# Altium PCB 28Pins_PCB_V1I1.PcbDoc
Units mm, origin at the board's own origin, x right, y up, seen from the top; angles counter-clockwise.
Board outline 68.58 x 53.34 mm, 2 copper layers (L1, L2), stack 1.671 mm thick; 105 components, 72 nets, 321 pads, 91 vias.
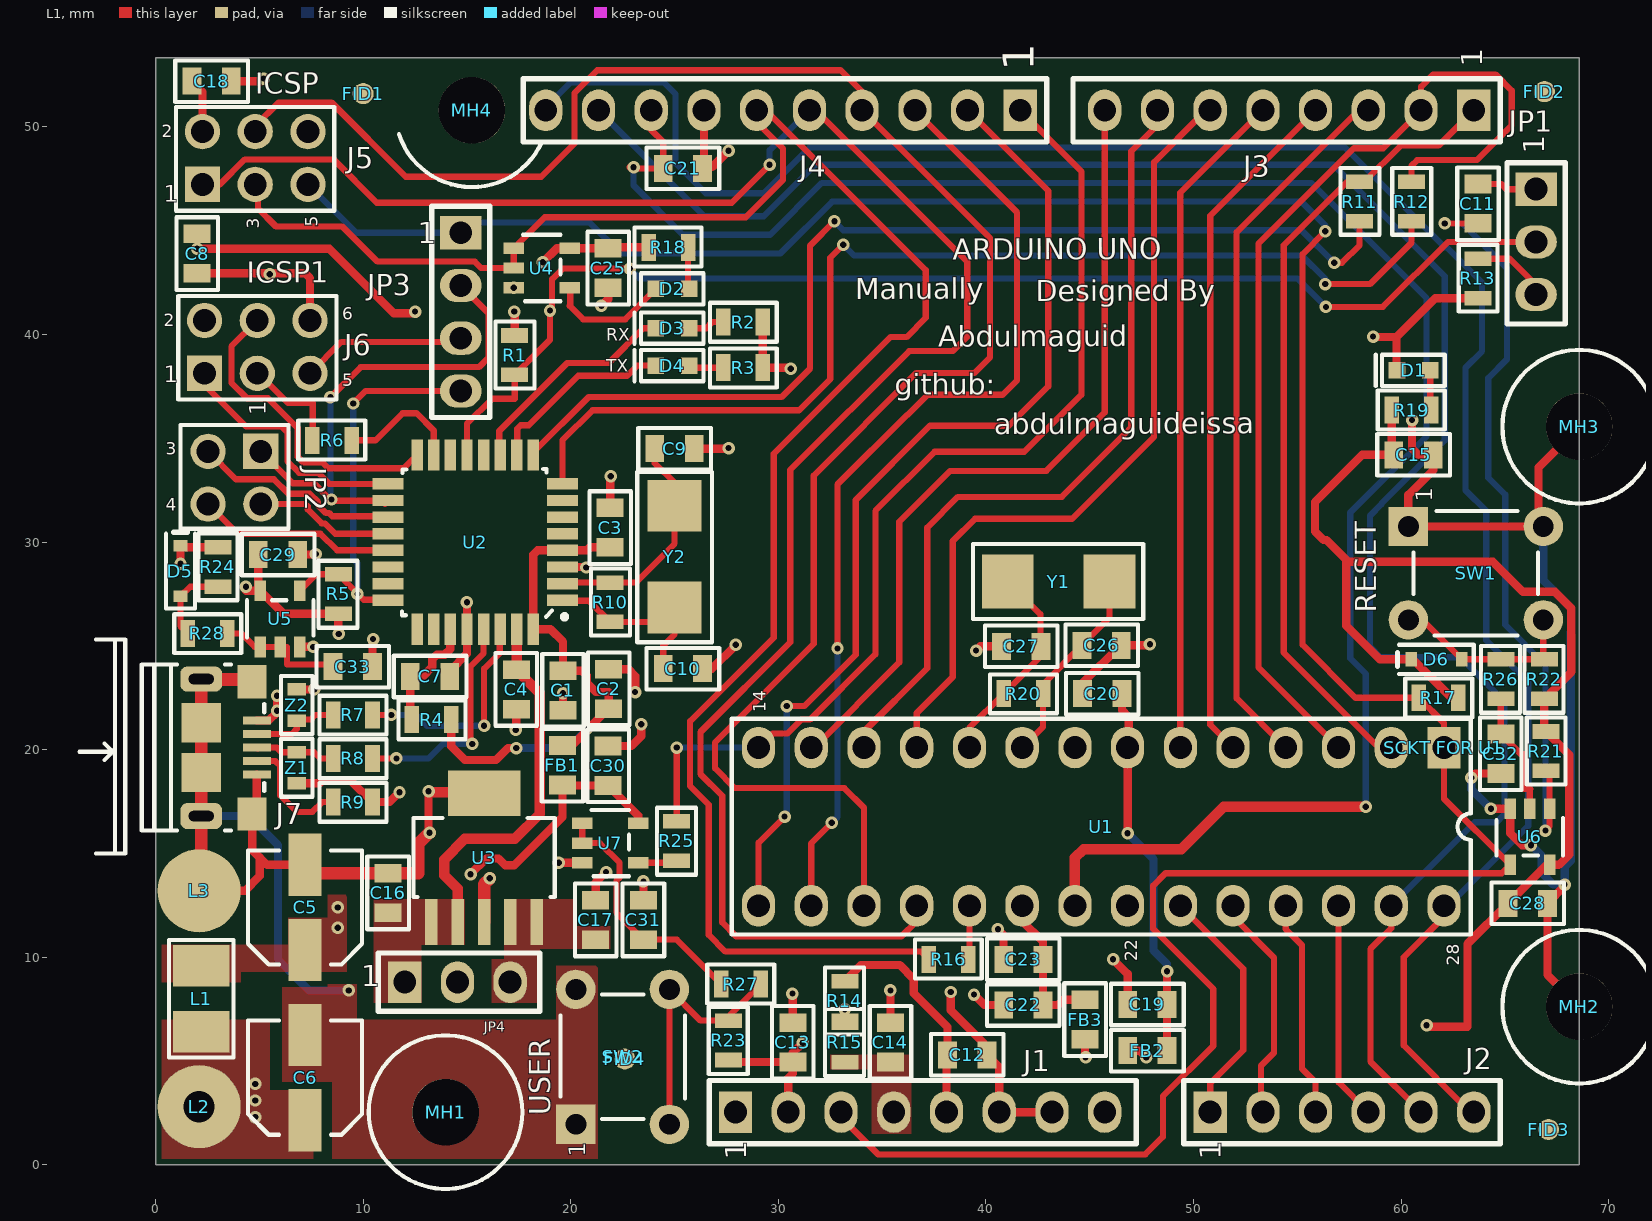
[diagram p0: L1 view]
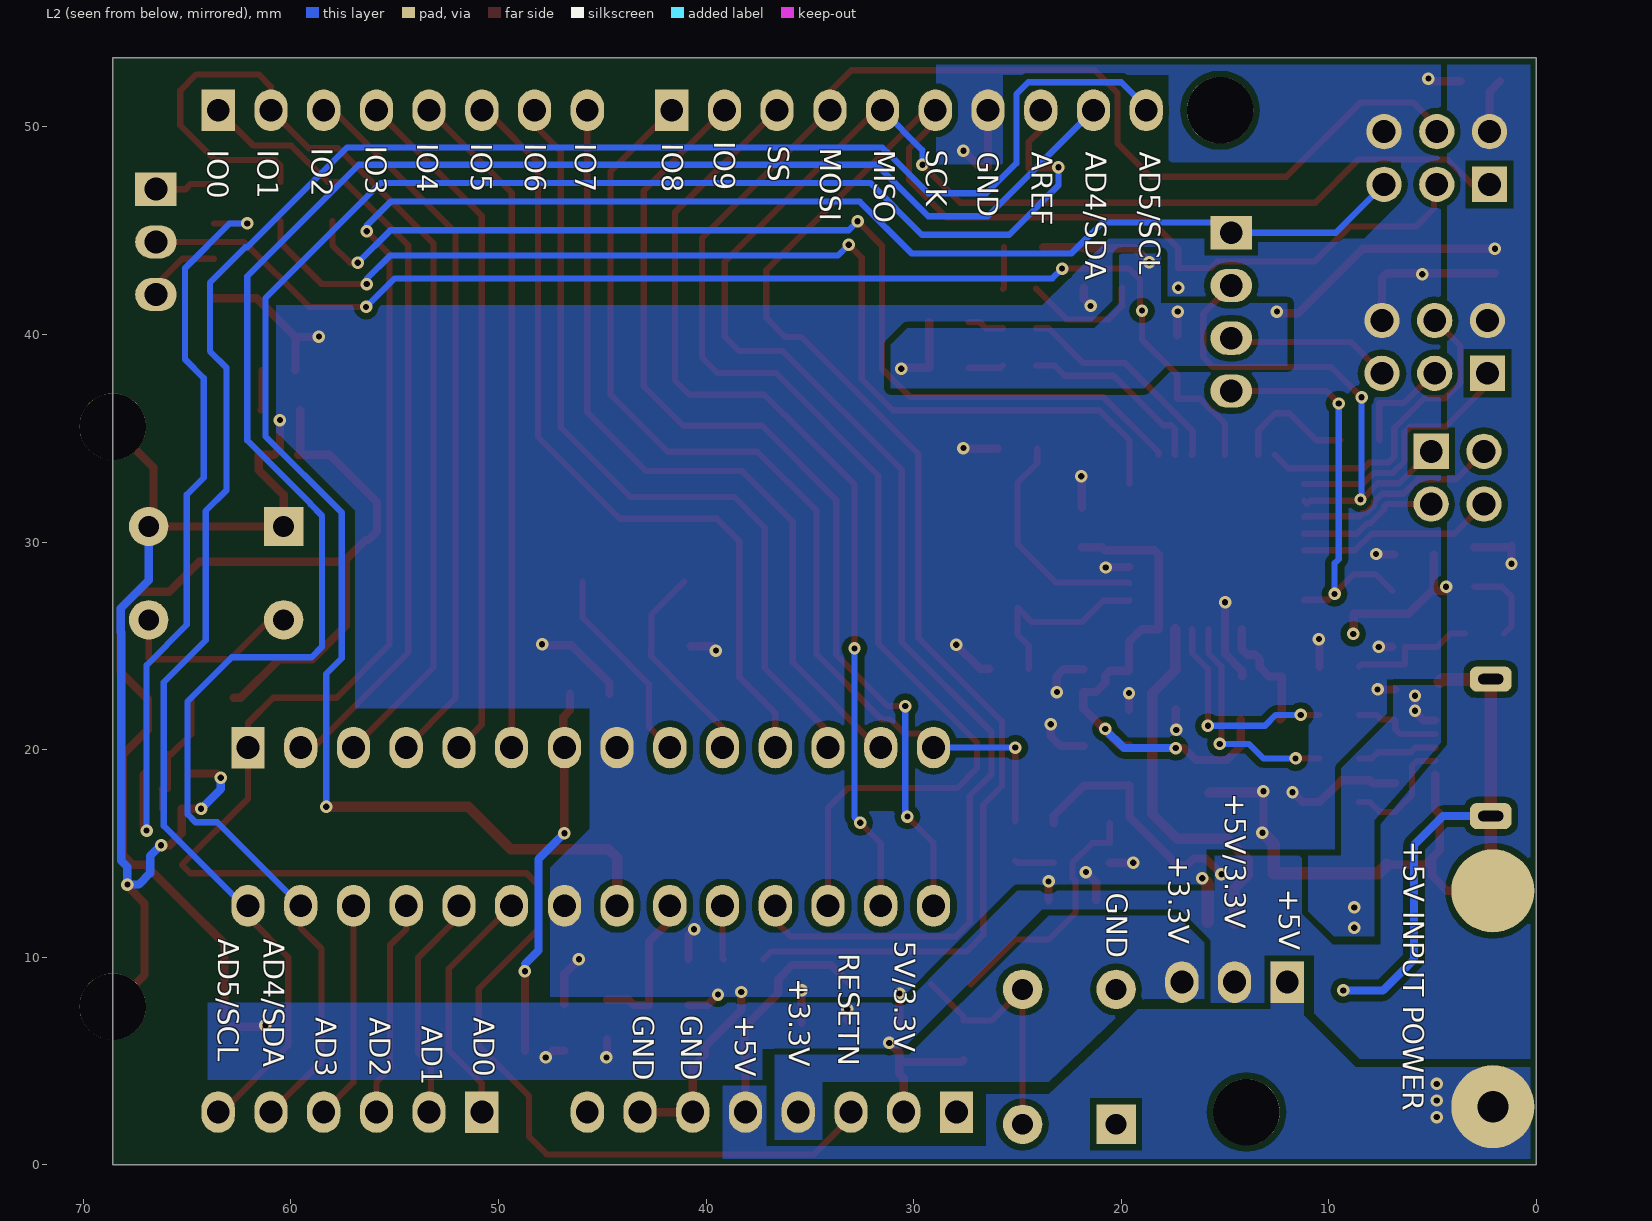
[diagram p1: L2 view, seen from below]

## Layer stack, top to bottom
Top Solder: solder mask 0.0102, Solder Resist, Dk 3.5
L1: signal copper 0.0356
Dielectric 1: dielectric 1.6002, FR-4, Dk 4.8
L2: signal copper 0.0356
Bottom Solder: solder mask 0.0102, Solder Resist, Dk 3.5

## Board outline
0,0 68.58,0 68.58,53.34 0,53.34 0,0

## Design rules (kind name [scope] priority, off if disabled: settings)
Clearance "Around Polygons" [IsRegion] p1: gap=0.3
Clearance [All] p2: gap=0.2
ComponentClearance "SW2 to FID4" [InComponent('SW2') vs InComponent('FID4')] p1: gap=0 collisioncheckmode=3 verticalgap=0 showdistances=FALSE
ComponentClearance "Power Resistors" [InComponent('R14') vs InComponent('R15')] p2: gap=0 collisioncheckmode=3 verticalgap=0 showdistances=FALSE
ComponentClearance "MH4 for FID1 and J4" [InComponent('MH4') vs InComponent('FID1') or InComponent('J4')] p3: gap=0 collisioncheckmode=3 verticalgap=0 showdistances=FALSE
ComponentClearance "DIP socket to MH2 and U1" [InComponent('SCKT FOR U1') vs InComponent('MH2') or InComponent('U1')] p4: gap=0 collisioncheckmode=3 verticalgap=0 showdistances=FALSE
ComponentClearance "MH2 to J2" [InComponent('MH2') vs InComponent('J2')] p5: gap=0 collisioncheckmode=3 verticalgap=0 showdistances=FALSE
ComponentClearance [All] p6: gap=0.2 collisioncheckmode=3 verticalgap=0.2 showdistances=FALSE
Height [All] p1 off: minheight=0 maxheight=25.4 prefheight=12.7
HoleSize [All] p1: absolutevalues=TRUE maxlimit=10 minlimit=0.2 maxpercent=80.000 minpercent=20.000
HoleToHoleClearance [All] p1: gap=0.3 allowstackedmicrovias=TRUE
MinimumSolderMaskSliver [All] p1: minsoldermaskwidth=0.1
PolygonConnect [All] p1: connectstyle=Direct reliefconductorwidth=0.254 reliefentries=4 polygonreliefangle="90 Angle" airgapwidth=0.254
RoutingVias [All] p1: holewidth=0.3 width=0.6 viastyle="Through Hole" minholewidth=0.3 minwidth=0.6 maxholewidth=0.3 maxwidth=0.6
SilkToSilkClearance [All] p1: silktosilkclearance=0.1
SilkToSolderMaskClearance [IsPad] p1: minsilkscreentomaskgap=0.1 clearancetoexposedcopper=TRUE
SolderMaskExpansion [All] p1: expansion=0.1
Width "Powers Width" [InNet('+*') or InNet('GND')] p1: maxlimit=4 minlimit=0.4 preferedwidth=0.4
Width [All] p2: maxlimit=0.5 minlimit=0.3 preferedwidth=0.3
23 further rules are at their usual default settings.

## Components (designator, comment, footprint, x,y, rotation, side; value= is the part's Value field where it differs from the comment)
C1 "10uF / 16 V" C0805 19.625,22.85 r90 top
C2 "100n" C0805 21.825,22.925 r270 top
C3 "100n" C0805 21.9,30.7 r270 top
C4 "100n" C0805 17.375,22.9 r90 top
C5 "100uF / 16V" C_ALU_C_SIZE 7.2,12.4 r90 top
C6 "100uF / 16V" C_ALU_C_SIZE 7.2,4.2 r90 top
C7 "1uF / 25 V" C0805 13.225,23.525 r180 top
C8 "100n" C0805 2,43.9 r90 top
C9 "18p" C0805 25,34.5 r180 top
C10 "18p" C0805 25.4,23.9 r180 top
C11 "100n" C0805 63.7,46.3 r270 top
C12 "100n" C0805 39.1,5.3 r0 top
C13 "100n" C0805 30.7,5.9 r270 top
C14 "100n" C0805 35.4,5.9 r270 top
C15 "10uF / 16 V" C0805 60.6,34.2 r180 top
C16 "10uF / 16 V" C0805 11.2,13.1 r270 top
C17 "10uF / 16 V" C0805 21.2,11.8 r270 top
C18 "100n" C0805 2.7,52.2 r180 top
C19 "10uF / 16 V" C0805 47.775,7.725 r0 top
C20 "100n" C0805 45.6,22.7 r0 top
C21 "10uF / 16 V" C0805 25.4,48 r180 top
C22 "10uF / 16 V" C0805 41.8,7.7 r0 top
C23 "100n" C0805 41.8,9.9 r0 top
C25 "100n" C0805 21.8,43.2 r90 top
C26 "18p" C0805 45.575,25.025 r180 top
C27 "18p" C0805 41.7,24.975 r0 top
C28 "100n" C0805 66.1,12.6 r180 top
C29 "100n" C0805 5.9,29.4 r180 top
C30 "100n" C0805 21.8,19.225 r270 top
C31 "100n" C0805 23.5,11.8 r270 top
C32 "100n" C0805 64.8,19.8 r90 top
C33 "100n" C0805 9.5,24 r180 top
D1 "Green" LED0603 60.6,38.275 r0 top
D2 "Orange" LED0603 24.9,42.2 r0 top
D3 "Orange" LED0603 24.9,40.3 r0 top
D4 "Orange" LED0603 24.9,38.5 r0 top
D5 "Schottky Diode" SOD323 1.2,28.6 r270 top
D6 "Schottky Diode" SOD323 61.7,24.35 r0 top
FB1 "MPZ2012S601AT000" C0805 19.6,19.25 r90 top
FB2 "MPZ2012S601AT000" C0805 47.775,5.5 r0 top
FB3 "MPZ2012S601AT000" C0805 44.775,7 r90 top
FID1 "FID_1mm" FID_40X1120 9.9,53.8 r0 top
FID2 "FID_1mm" FID_40X1120 64.7,51.6 r90 top
FID3 "FID_1mm" FID_40X1120 64.9,1.6 r90 top
FID4 "FID_1mm" FID_40X1120 20.4,5 r90 top
J1 "HEADER FEMALE 1x8" 1x8PIN_FEMALE_HDR 27.94,2.54 r90 top locked
J2 "HEADER FEMALE 1x6" 1x6PIN_FEMALE_HDR 50.8,2.54 r90 top locked
J3 "HEADER FEMALE 1x8" 1x8PIN_FEMALE_HDR 63.5,50.8 r270 top locked
J4 "HEADER FEMALE 1x10" 1X10PIN_FEMALE_HDR 41.656,50.8 r270 top locked
J5 "HEADER MALE 2x3" 2X3PIN_MALE_HDR 4.8,48.5 r90 top locked
J6 "HEADER MALE 2x3" 2X3PIN_MALE_HDR 4.9,39.4 r90 top locked
J7 "10118193-0001LF" USB_SOP 3.537,20.1 r270 top locked
JP1 "HEADER MALE 1x3" 1X3PIN_MALE_HDR 66.5,47 r0 top locked
JP2 "HEADER MALE 2x2" 2X2PIN_MALE_HDR 3.8,33.1 r270 top
JP3 "HEADER MALE 1x4" 1X4PIN_MALE_HDR 14.7,44.9 r0 top locked
JP4 "HEADER MALE 1x3" 1X3PIN_MALE_HDR 12,8.8 r90 top
L1 "2.2uH / 2A" L1210 2.2,8 r270 top
L2 "4MMx1.5MM" PADS_WITH_WHOLE_4MMX1.5MM#1 2.1,2.8 r0 top
L3 "4MMx1.5MM" PADS_WITH_WHOLE_4MMX1.5MM#2 2.1,13.2 r0 top
MH1 "Mounting Whole 3.4mmx3.2mm" MOUNTING_WHOLE_NON_COPPER#1 13.97,2.54 r0 top locked
MH2 "Mounting Whole 3.4mmx3.2mm" MOUNTING_WHOLE_NON_COPPER#1 68.58,7.62 r0 top locked
MH3 "Mounting Whole 3.4mmx3.2mm" MOUNTING_WHOLE_NON_COPPER#1 68.58,35.56 r0 top locked
MH4 "Mounting Whole 3.4mmx3.2mm" MOUNTING_WHOLE_NON_COPPER#2 15.24,50.8 r0 top locked
R1 "100K" R0805 17.3,39 r90 top
R2 "560" R0805 28.3,40.6 r0 top
R3 "560" R0805 28.3,38.4 r0 top
R4 "0R" R0805 13.3,21.45 r0 top
R5 "10K" R0805 8.8,27.5 r270 top
R6 "22R" R0805 8.5,34.9 r180 top
R7 "22R" R0805 9.5,21.675 r0 top
R8 "22R" R0805 9.5,19.575 r0 top
R9 "0R" R0805 9.5,17.475 r0 top
R10 "1M" R0805 21.9,27.1 r90 top
R11 "1K" R0805 58,46.4 r90 top
R12 "1K" R0805 60.5,46.4 r90 top
R13 "1K" R0805 63.7,42.7 r90 top
R14 "0R" R0805 33.2,7.9 r270 top
R15 "0R" R0805 33.2,5.9 r270 top
R16 "22R" R0805 38.2,9.9 r180 top
R17 "10K" R0805 61.8,22.5 r0 top
R18 "560" R0805 24.7,44.2 r180 top
R19 "560" R0805 60.5,36.35 r180 top
R20 "1M" R0805 41.8,22.7 r0 top
R21 "10K" R0805 66.975,19.925 r90 top
R22 "10K" R0805 66.9,23.4 r270 top
R23 "10K" R0805 27.6,6 r270 top
R24 "10K" R0805 3,28.8 r90 top
R25 "560" R0805 25.1,15.6 r270 top
R26 "22R" R0805 64.8,23.4 r270 top
R27 "22R" R0805 28.2,8.7 r180 top
R28 "22R" R0805 2.5,25.6 r0 top
"SCKT FOR U1" "28-DIP Socket" 28-DIP_SCKT 62.065,20.1 r270 top locked
SW1 "1825910-6" 4PIN_BUTTON 63.6,28.5 r90 top
SW2 "1825910-6" 4PIN_BUTTON 22.5,5.2 r180 top
U1 "ATMEGA328P-PU" 28_DIP_U1 62.065,20.1 r270 top locked
U2 "ATMEGA16U2-AU" TQFP32 15.4,30 r180 top locked
U3 "TL1963A-33DCQR" "DCQR R-PDSO-G6" 15.825,14.8 r90 top
U4 "SN74AHC1G09DBVR" DBV_SOP_23_5 18.6,43.2 r0 top
U5 "SN74AHC1G09DBVR" DBV_SOP_23_5 6,26.3 r90 top
U6 "SN74AHC1G09DBVR" DBV_SOP_23_5 66.2,15.8 r270 top
U7 "SN74AHC1G09DBVR" DBV_SOP_23_5 21.9,15.5 r0 top
Y1 "ABM7-16.000MHZ-D2Y-T" AMB7_V1 43.5,28.1 r0 top
Y2 "ABM7-16.000MHZ-D2Y-T" AMB7_V1 25,29.3 r90 top
Z1 "CG0603MLC-05E" R0603 6.8,19.125 r90 top
Z2 "CG0603MLC-05E" R0603 6.8,22.15 r270 top

## Footprints (in the part's own frame and the unit in brackets; to place one, negate y for a bottom-side part, rotate by r counter-clockwise, add the part's x,y. Pads: shape width x height; smd on the part's side, far side on the other; paste and mask are expansions set on the pad)
1X3PIN_MALE_HDR [mm]
  rect 2x1.6 hole 1.1: 1(0,0)
  oval 2x1.6 hole 1.1: 2(0,-2.54) 3(0,-5.08)
  silkscreen extent -1.4,-6.5 1.4,1.27, body extent -1.2,-6.21 1.21,1.01, height 8.19
1X4PIN_MALE_HDR [mm]
  rect 2x1.6 hole 1.1: 1(0,0)
  oval 2x1.6 hole 1.1: 2(0,-2.54) 3(0,-5.08) 4(0,-7.62)
  silkscreen extent -1.4,-8.9 1.4,1.27, body extent -1.21,-8.68 1.2,1.08, height 8.19
1x6PIN_FEMALE_HDR [mm]
  rect 2x1.6 hole 1.1: 1(0,0)
  oval 2x1.6 hole 1.1: 2(0,-2.54) 3(0,-5.08) 4(0,-7.62) 5(0,-10.16) 6(0,-12.7)
  silkscreen extent -1.52,-13.97 1.52,1.27, body extent -1.25,-14.17 1.25,1.47, height 8.31
1x8PIN_FEMALE_HDR [mm]
  rect 2x1.6 hole 1.1: 1(0,0)
  oval 2x1.6 hole 1.1: 2(0,-2.54) 3(0,-5.08) 4(0,-7.62) 5(0,-10.16) 6(0,-12.7) 7(0,-15.24) 8(0,-17.78)
  silkscreen extent -1.52,-19.3 1.52,1.27, body extent -1.25,-19.25 1.25,1.47, height 8.51
1X10PIN_FEMALE_HDR [mm]
  rect 2x1.6 hole 1.1: 1(0,0)
  oval 2x1.6 hole 1.1: 2(0,-2.54) 3(0,-5.08) 4(0,-7.62) 5(0,-10.16) 6(0,-12.7) 7(0,-15.24) 8(0,-17.78) 9(0,-20.32) 10(0,-22.86)
  silkscreen extent -1.52,-23.95 1.52,1.27, body extent -1.23,-24.33 1.27,1.47, height 8.51
2X2PIN_MALE_HDR [mm]
  rect 1.7x1.7 hole 1.1: 1(-1.27,1.27)
  round 1.7 hole 1.1: 2(1.27,1.27) 3(-1.27,-1.27) 4(1.27,-1.27)
  silkscreen extent -2.54,-2.6 2.46,2.6, body extent -2.56,-2.5 2.52,2.5, height 8.01
2X3PIN_MALE_HDR [mm]
  rect 1.7x1.7 hole 1.1: 1(-1.27,2.54)
  round 1.7 hole 1.1: 2(1.27,2.54) 3(-1.27,0) 4(1.27,0) 5(-1.27,-2.54) 6(1.27,-2.54)
  silkscreen extent -2.54,-3.81 2.46,3.81, body extent -2.54,-3.81 2.46,3.81, height 8.01
4PIN_BUTTON [mm]
  rect 1.9x1.9 hole 1: 1(2.25,3.25)
  round 1.9 hole 1: 2(2.25,-3.25) 3(-2.25,3.25) 4(-2.25,-3.25)
  silkscreen extent -3,-3 3,3, body extent -3,-3.9 3,3.9, height 5
28-DIP_SCKT [mm]
  body extent -1.24,-34.26 8.86,1.24, height 4.2
28_DIP_U1 [mm]
  rect 2x1.6 hole 1.1: 1(0,0)
  oval 2x1.6 hole 1.1: 2(0,-2.54) 3(0,-5.08) 4(0,-7.62) 5(0,-10.16) 6(0,-12.7) 7(0,-15.24) 8(0,-17.78) 9(0,-20.32) 10(0,-22.86) 11(0,-25.4) 12(0,-27.94) 13(0,-30.48) 14(0,-33.02) 15(7.62,-33.02) 16(7.62,-30.48) 17(7.62,-27.94) 18(7.62,-25.4) 19(7.62,-22.86) 20(7.62,-20.32) 21(7.62,-17.78) 22(7.62,-15.24) 23(7.62,-12.7) 24(7.62,-10.16) 25(7.62,-7.62) 26(7.62,-5.08) 27(7.62,-2.54) 28(7.62,0)
  silkscreen extent -1.39,-34.31 9.01,1.29, body extent -0.13,-34.21 7.74,1.19, height 8.4
AMB7_V1 [mm]
  rect 2.5x2.6 smd: 1(-2.45,0) 2(2.45,0)
  silkscreen extent -4.13,-1.8 4.08,1.8, body extent -2.98,-1.7 3.02,1.81, height 1.41
C0805 [mm]
  rect 0.9x1.3 smd: 1(-0.95,0) 2(0.95,0)
  silkscreen extent -1.75,-1 1.75,1, body extent -1,-0.6 1,0.6, height 1.46
C_ALU_C_SIZE [mm]
  rect 3x1.6 smd: 1(-2.05,0) 2(2.05,0)
  silkscreen extent -2.75,-2.75 2.75,2.75, body extent -2.95,-2.65 2.95,2.65, height 5.41
DBV_SOP_23_5 [mm]
  rect 1x0.55 smd: 1(-1.35,0.95) 2(-1.35,0) 3(-1.35,-0.95) 4(1.35,-0.95) 5(1.35,0.95)
  silkscreen extent -0.9,-1.6 0.9,1.6, body extent -1.51,-1.52 1.51,1.52, height 1.6
"DCQR R-PDSO-G6" [mm]
  rect 2.2x0.6 smd: 1(-3.1,2.54) 2(-3.1,1.27) 3(-3.1,0) 4(-3.1,-1.27) 5(-3.1,-2.54)
  rect 2.2x3.5 smd: 6(3.1,0)
  silkscreen extent -1.9,-3.4 1.9,3.4, body extent -3.63,-3.27 3.63,3.28, height 1.79
FID_40X1120 [mm]
  round 1.016 smd paste-40 mask+1.016: 1(0.1,-2.2)
L1210 [mm]
  rect 2x2.7 smd: 1(-1.6,0) 2(1.6,0)
  silkscreen extent -2.83,-1.55 2.83,1.55, body extent -1.6,-1.25 1.6,1.25, height 2.7
LED0603 [mm]
  rect 0.8x0.8 smd: 1(-0.8,0) 2(0.8,0)
  silkscreen extent -1.83,-0.75 1.5,0.75, body extent -0.82,-0.4 0.88,0.4, height 0.66
MOUNTING_WHOLE_NON_COPPER#1 [mm]
  round 3.2 hole 3.2: 1(0,0)
  silkscreen extent -3.7,-3.7 3.7,3.7
MOUNTING_WHOLE_NON_COPPER#2 [mm]
  round 3.2 hole 3.2 unplated: 1(0,0)
  silkscreen extent -3.51,-3.7 3.37,-1.16
PADS_WITH_WHOLE_4MMX1.5MM#1 [mm]
  round 4 hole 1.5: 1(0,0)
PADS_WITH_WHOLE_4MMX1.5MM#2 [mm]
  round 4 all layers, no hole: 1(0,0)
R0603 [mm]
  rect 0.6x0.9 smd: 1(-0.75,0) 2(0.75,0)
  silkscreen extent -1.4,-0.76 1.4,0.76, body extent -0.8,-0.4 0.8,0.4, height 0.85
R0805 [mm]
  rect 0.7x1.3 smd: 1(-0.95,0) 2(0.95,0)
  silkscreen extent -1.6,-0.95 1.63,0.92, body extent -1,-0.6 1,0.6, height 0.71
SOD323 [mil]
  rect 22x27 smd: 1(-48,0) 2(48,0)
  silkscreen extent -74,-28 71,28, body extent -48,-25 50,25, height 35
TQFP32 [mm]
  rect 1.5x0.55 smd mask+0.06: 1(-4.2,2.8) 2(-4.2,2) 3(-4.2,1.2) 4(-4.2,0.4) 5(-4.2,-0.4) 6(-4.2,-1.2) 7(-4.2,-2) 8(-4.2,-2.8) 17(4.2,-2.8) 18(4.2,-2) 19(4.2,-1.2) 20(4.2,-0.4) 21(4.2,0.4) 22(4.2,1.2) 23(4.2,2) 24(4.2,2.8)
  rect 0.55x1.5 smd mask+0.06: 9(-2.8,-4.2) 10(-2,-4.2) 11(-1.2,-4.2) 12(-0.4,-4.2) 13(0.4,-4.2) 14(1.2,-4.2) 15(2,-4.2) 16(2.8,-4.2) 25(2.8,4.2) 26(2,4.2) 27(1.2,4.2) 28(0.4,4.2) 29(-0.4,4.2) 30(-1.2,4.2) 31(-2,4.2) 32(-2.8,4.2)
  silkscreen extent -4.4,-3.52 3.52,3.7, body extent -4.51,-4.51 4.51,4.51, height 1.1
USB_SOP [mm]
  rect 0.4x1.35 smd mask+0.05: 1(-1.3,1.338) 2(-0.65,1.338) 3(0,1.338) 4(0.65,1.338) 5(1.3,1.338)
  rect 1.6x1.4 smd: 6(-3.175,1.112) 7(3.2,1.112)
  rrect50% 1.2x2 hole 0.5 slot 1.2 at 90 deg: 8(-3.3,-1.338)
  rrect50% 1.25x2 hole 0.5 slot 1.2 at 90 deg: 9(3.3,-1.338)
  rect 1.9x1.9 smd: 10(-1.2,-1.338) 11(1.2,-1.338)
  silkscreen extent -5.2,-7.2 5.1,1.7, body extent -3.93,-4.15 3.93,1.64, height 2.88

## Part data
C1 C15 C16 C17 C19 C21 C22: library part 10uF_CAP
C2 C3 C4 C8 C11 C12 C13 C14 C18 C20 C23 C25 C28 C29 C30 C31 C32 C33: library part 0.1uF_CAP
C5 C6: library part 100uF_PCAP
C7: library part 1uF_CAP
C9 C10 C26 C27: library part 18pF_CAP
D1: library part LED_Green
D2 D3 D4: library part LED_Orange
D5 D6: "Diode,Schottky Barrier,Fast,Vr 30V,If 200mA,Pkg SOD-323,Vf 0.52VDC,Trr 5ns"
FB1 FB2 FB3: library part Ferrite_Bead
FID1 FID2 FID3 FID4: library part Fiducial, "Fiducial 40mil diameter"
J1 J3: library part 1x8Pin_Female_Hdr
J2: library part 1x6Pin_Female_Hdr
J4: library part 10Pin_Female_Hdr
J5 J6: library part 2x3Pin_Male_Hdr
J7: "Right Angle Surface Mount Mount Female USB Connector 100 V ac 1.8A"
JP1 JP4: library part 1x3Pin_Male_Hdr
JP2: library part 2x2Pin_Male_Hdr
JP3: library part 1x4Pin_Male_Hdr
L1: library part L1210R2R2MDWIT, "Inductor"
L2 L3: library part PAD_WITH_WHOLE_4MMx1.5MM
MH1 MH2 MH3 MH4: library part MOUNTING_WHOLE_NON_COPPER
R1: library part 100K_Resistor
R2 R3 R18 R19 R25: library part 560_Resistor
R4 R9 R14 R15: library part 0R_Resistor
R5 R17 R21 R22 R23 R24: library part 10K_Resistor
R6 R7 R8 R16 R26 R27 R28: library part 22_Resistor
R10 R20: library part 1M_Resistor
R11 R12 R13: library part 1K_Resistor
"SCKT FOR U1": library part 28Pin_DIP
SW1 SW2: library part 4Pin_Push_Button, "Push_Button"
U1: "ATMEGA328P-PU; 8 bit Microcontroller AVR 20MHz 1; 32kb Flash; 2kb RAM; I2C SPI 2"
U3: library part Regulator
U4 U5 U6 U7: library part "AND gate"
Y1 Y2: "Crystal; Ceramic; 16.000MHZ; 18pf; 20ppm @ 25C; 30ppm -40+85C; 6.0 x 3.5 x 1.2mm; T/R"
Z1 Z2: "Varistor; ESD Clamp Protector; 5 VDC; 20 Vclamp; IEC 61000-4-2 Level 4; 0603 SMD"

## Via types
v1: diameter 0.6, hole 0.3, L1 to L2, tented both sides, 91 vias

## Nets (pads, with @x,y where several pads share a name; then routed paths per layer and width w, separated by ;. In a path a pad name is that pad's centre, name@x,y a point inside that pad or via, vN(x,y) a via of type N, cw(c..) or ccw(c..) an arc to the next point about the centre after c; other vN are vias at no path point)
16U2_16MHZ_XTAL1: C10.2 R10.1 U2.1 Y2.1 | length 9.3
  L1 w0.3: U2.1 19.625,27.175 20.875,27.175 R10.1 24.3,26.15 Y2.1 25,25.55 24.45,25 C10.2
16U2_16MHZ_XTAL2: C9.2 R10.2 U2.2 Y2.2 | length 11.2
  L1 w0.3: U2.2 19.65,28.05 R10.2 23.125,28.05 25,29.925 Y2.2 25,32.85 24.05,33.8 C9.2
16U2_BUF_RESETN: C33.2 R28.2 U5.1 U5.2 | length 6.3
  L1 w0.3: R28.2 4.125,25.6 4.775,24.95 U5.1 U5.2 6.325,24.95 6.325,24.1 8.45,24.1 C33.2
16U2_HDR_RESETN: J6.5 JP3.3 | length 8
  L1 w0.3: J6.5 8.95,39.64 14.52,39.64 JP3.3
16U2_MISO: J6.1 U2.17 | length 12.2
  L1 w0.3: J6.1 2.36,37.563 4.353,35.57 6.065,35.57 6.35,35.285 6.35,33.898 6.918,33.33 7.841,33.33 8.371,32.8 U2.17
16U2_MOSI: J6.4 U2.16 | length 15.2
  L1 w0.3: J6.4 3.655,39.425 3.655,37.678 4.403,36.93 5.412,36.93 6.85,35.492 6.85,34.105 7.125,33.83 8.048,33.83 8.321,33.557 11.957,33.557 U2.16
16U2_PB4: JP2.1 JP3.2 U2.18 | length 24.6
  L1 w0.3: JP2.1 6.61,32.83 7.634,32.83 v1@8.445,32.02 ; v1(8.425,36.975) 9.88,38.43 15.58,38.43 16.05,38.9 16.05,41.01 JP3.2 ; v1@8.475,31.995 10.905,31.995 11.05,31.85 U2.18
  L2 w0.3: v1(8.425,36.975) 8.425,32.1 v1(8.475,32.05)
16U2_PB5: JP2.3 U2.19 | length 10.1
  L1 w0.3: JP2.3 3.87,33.03 5.703,33.03 6.403,32.33 7.427,32.33 7.825,31.932 7.825,31.781 8.206,31.4 8.357,31.4 8.516,31.241 11.159,31.241 U2.19
16U2_PB6: JP2.2 U2.20 | length 6.8
  L1 w0.3: JP2.2 7.22,31.83 7.325,31.725 7.325,31.574 7.999,30.9 8.15,30.9 8.65,30.4 U2.20
16U2_PB7: JP2.4 U2.21 | length 9.6
  L1 w0.3: JP2.4 3.96,30.4 7.943,30.4 8.743,29.6 U2.21
16U2_RESETN: JP3.4 R5.1 U2.24 U5.4 | length 19.8
  L1 w0.3: U5.4 7.75,28.45 R5.1 10.025,27.225 11.175,27.225 U2.24 ; v1(9.525,36.675) 9.525,36.685 10.12,37.28 JP3.4
  L2 w0.3: v1(9.525,36.675) 9.525,29.175 9.725,28.975 v1(9.725,27.5)
16U2_RXD: R12.1 U2.8 | length 53.1
  L1 w0.3: U2.8 19.6,34.9 21.05,36.35 31,36.35 32.5,37.85 32.5,43.7 v1(33.125,44.325) ; v1(56.35,42.425) 58.5,42.425 60.5,44.425 R12.1
  L2 w0.3: v1(33.125,44.325) 33.65,43.8 55.225,43.8 56.35,42.675 v1(56.35,42.425)
16U2_RXD_LED: D4.1 U2.10 | length 9.2
  L1 w0.3: U2.10 17.425,34.225 17.425,35.462 17.588,35.625 17.975,35.625 20.362,38.012 22.712,38.012 23.2,38.5 D4.1